# Altium PCB PCB_gravure_x4.PcbDoc (part 3 of 3)
Units mil, origin at the board's own origin, x right, y up, seen from the top; angles counter-clockwise.
Board outline 7410.01 x 4865 mil, 2 copper layers (Top Layer, Bottom Layer); 380 components, 0 nets, 1052 pads, 200 vias.
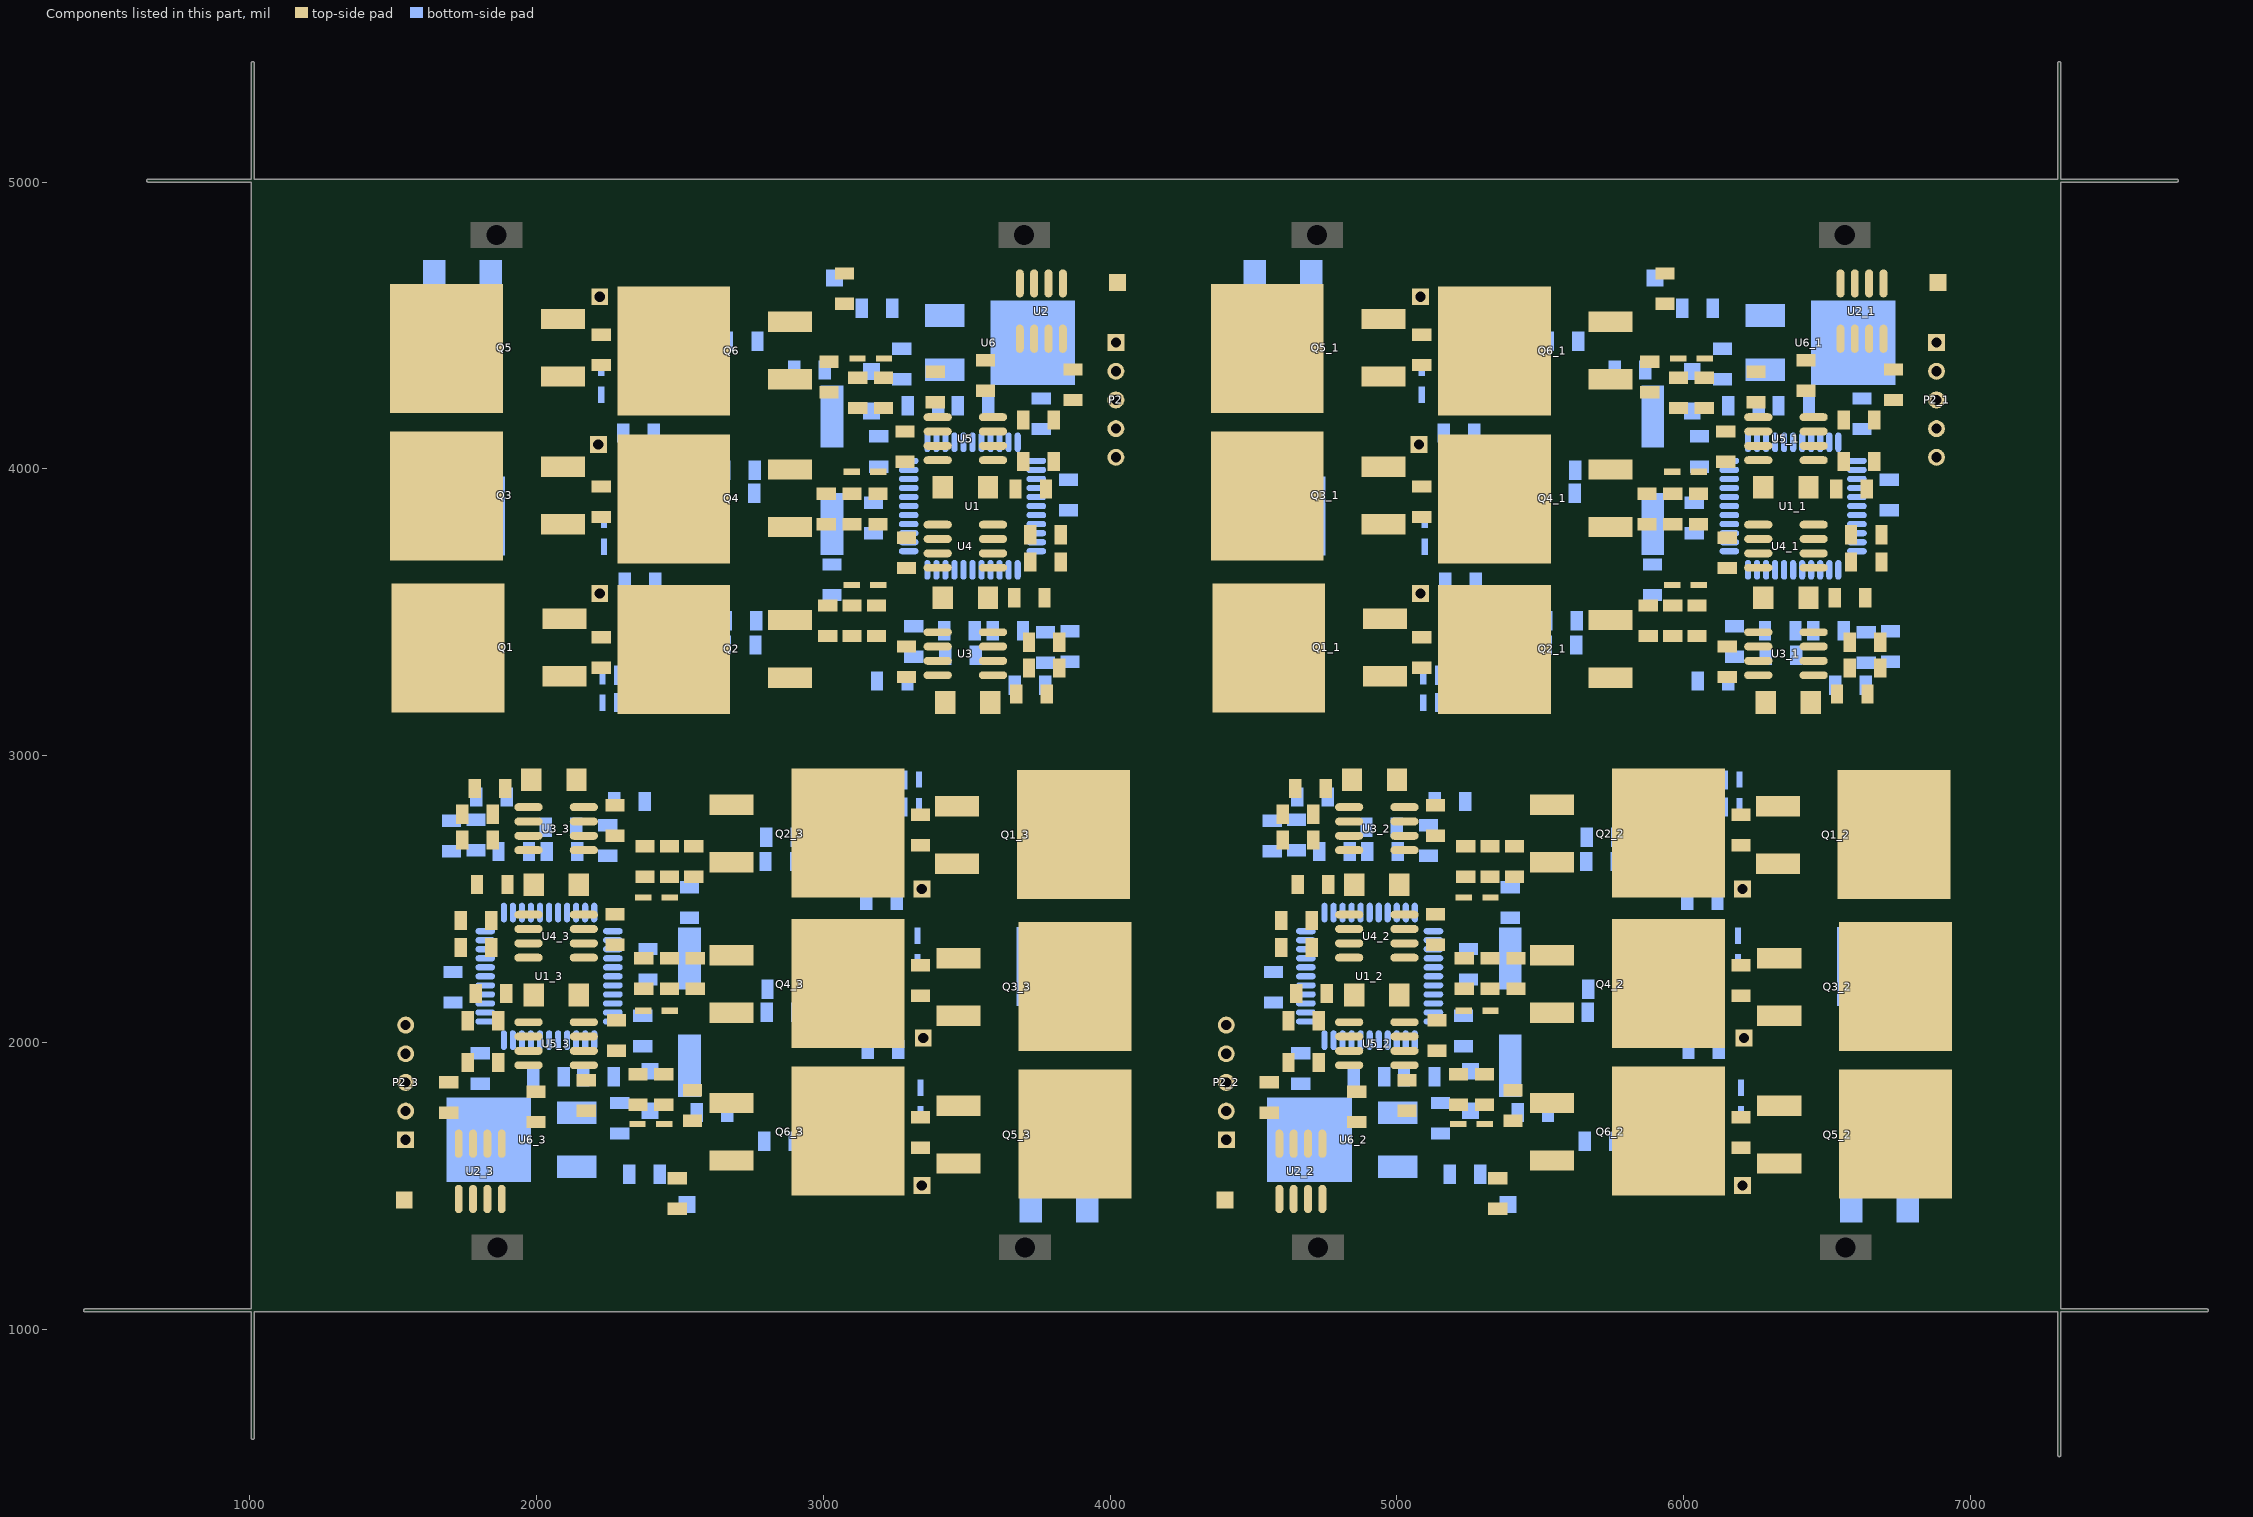
[diagram p3: the components of this part, seen from the top]

## Keep-outs
Keep-Out Layer:
  lines w10: 425,1065 7825,1065 ; 645,5005 7720,5005 ; 1010,620 1010,5415 ; 7310,560 7310,5415 ; 1468.12,1355 1468.12,2970 4095,2970 4095,1350 3858.12,1350 3858.12,1190 3543.12,1190 3543.12,1350 2018.12,1350 2018.12,1195 1703.12,1195 1703.12,1355 1468.12,1355 ; 1468.12,3130 1468.12,4750 1705,4750 1705,4910 2020,4910 2020,4750 3545,4750 3545,4905 3860,4905 3860,4745 4095,4745 4095,3130 1468.12,3130 ; 4330,1355 4330,2970 6956.88,2970 6956.88,1350 6720,1350 6720,1190 6405,1190 6405,1350 4880,1350 4880,1195 4565,1195 4565,1355 4330,1355 ; 4330,3130 4330,4750 4566.88,4750 4566.88,4910 4881.88,4910 4881.88,4750 6406.88,4750 6406.88,4905 6721.88,4905 6721.88,4745 6956.88,4745 6956.88,3130 4330,3130

## Dimensions
1010,5415 to 7310,5415 on Mechanical 1
7720,5005 to 7825,1065 on Mechanical 1